# Altium PCB TE0723.PcbDoc (part 2 of 3)
Units mm, origin at the board's own origin, x right, y up, seen from the top; angles counter-clockwise.
Board outline 53.34 x 68.58 mm, 8 copper layers (L 01, L 02, L 03, L 04, L 05, L 06, L 07, L 08), stack 1.565 mm thick; 205 components, 250 nets, 1014 pads, 526 vias.
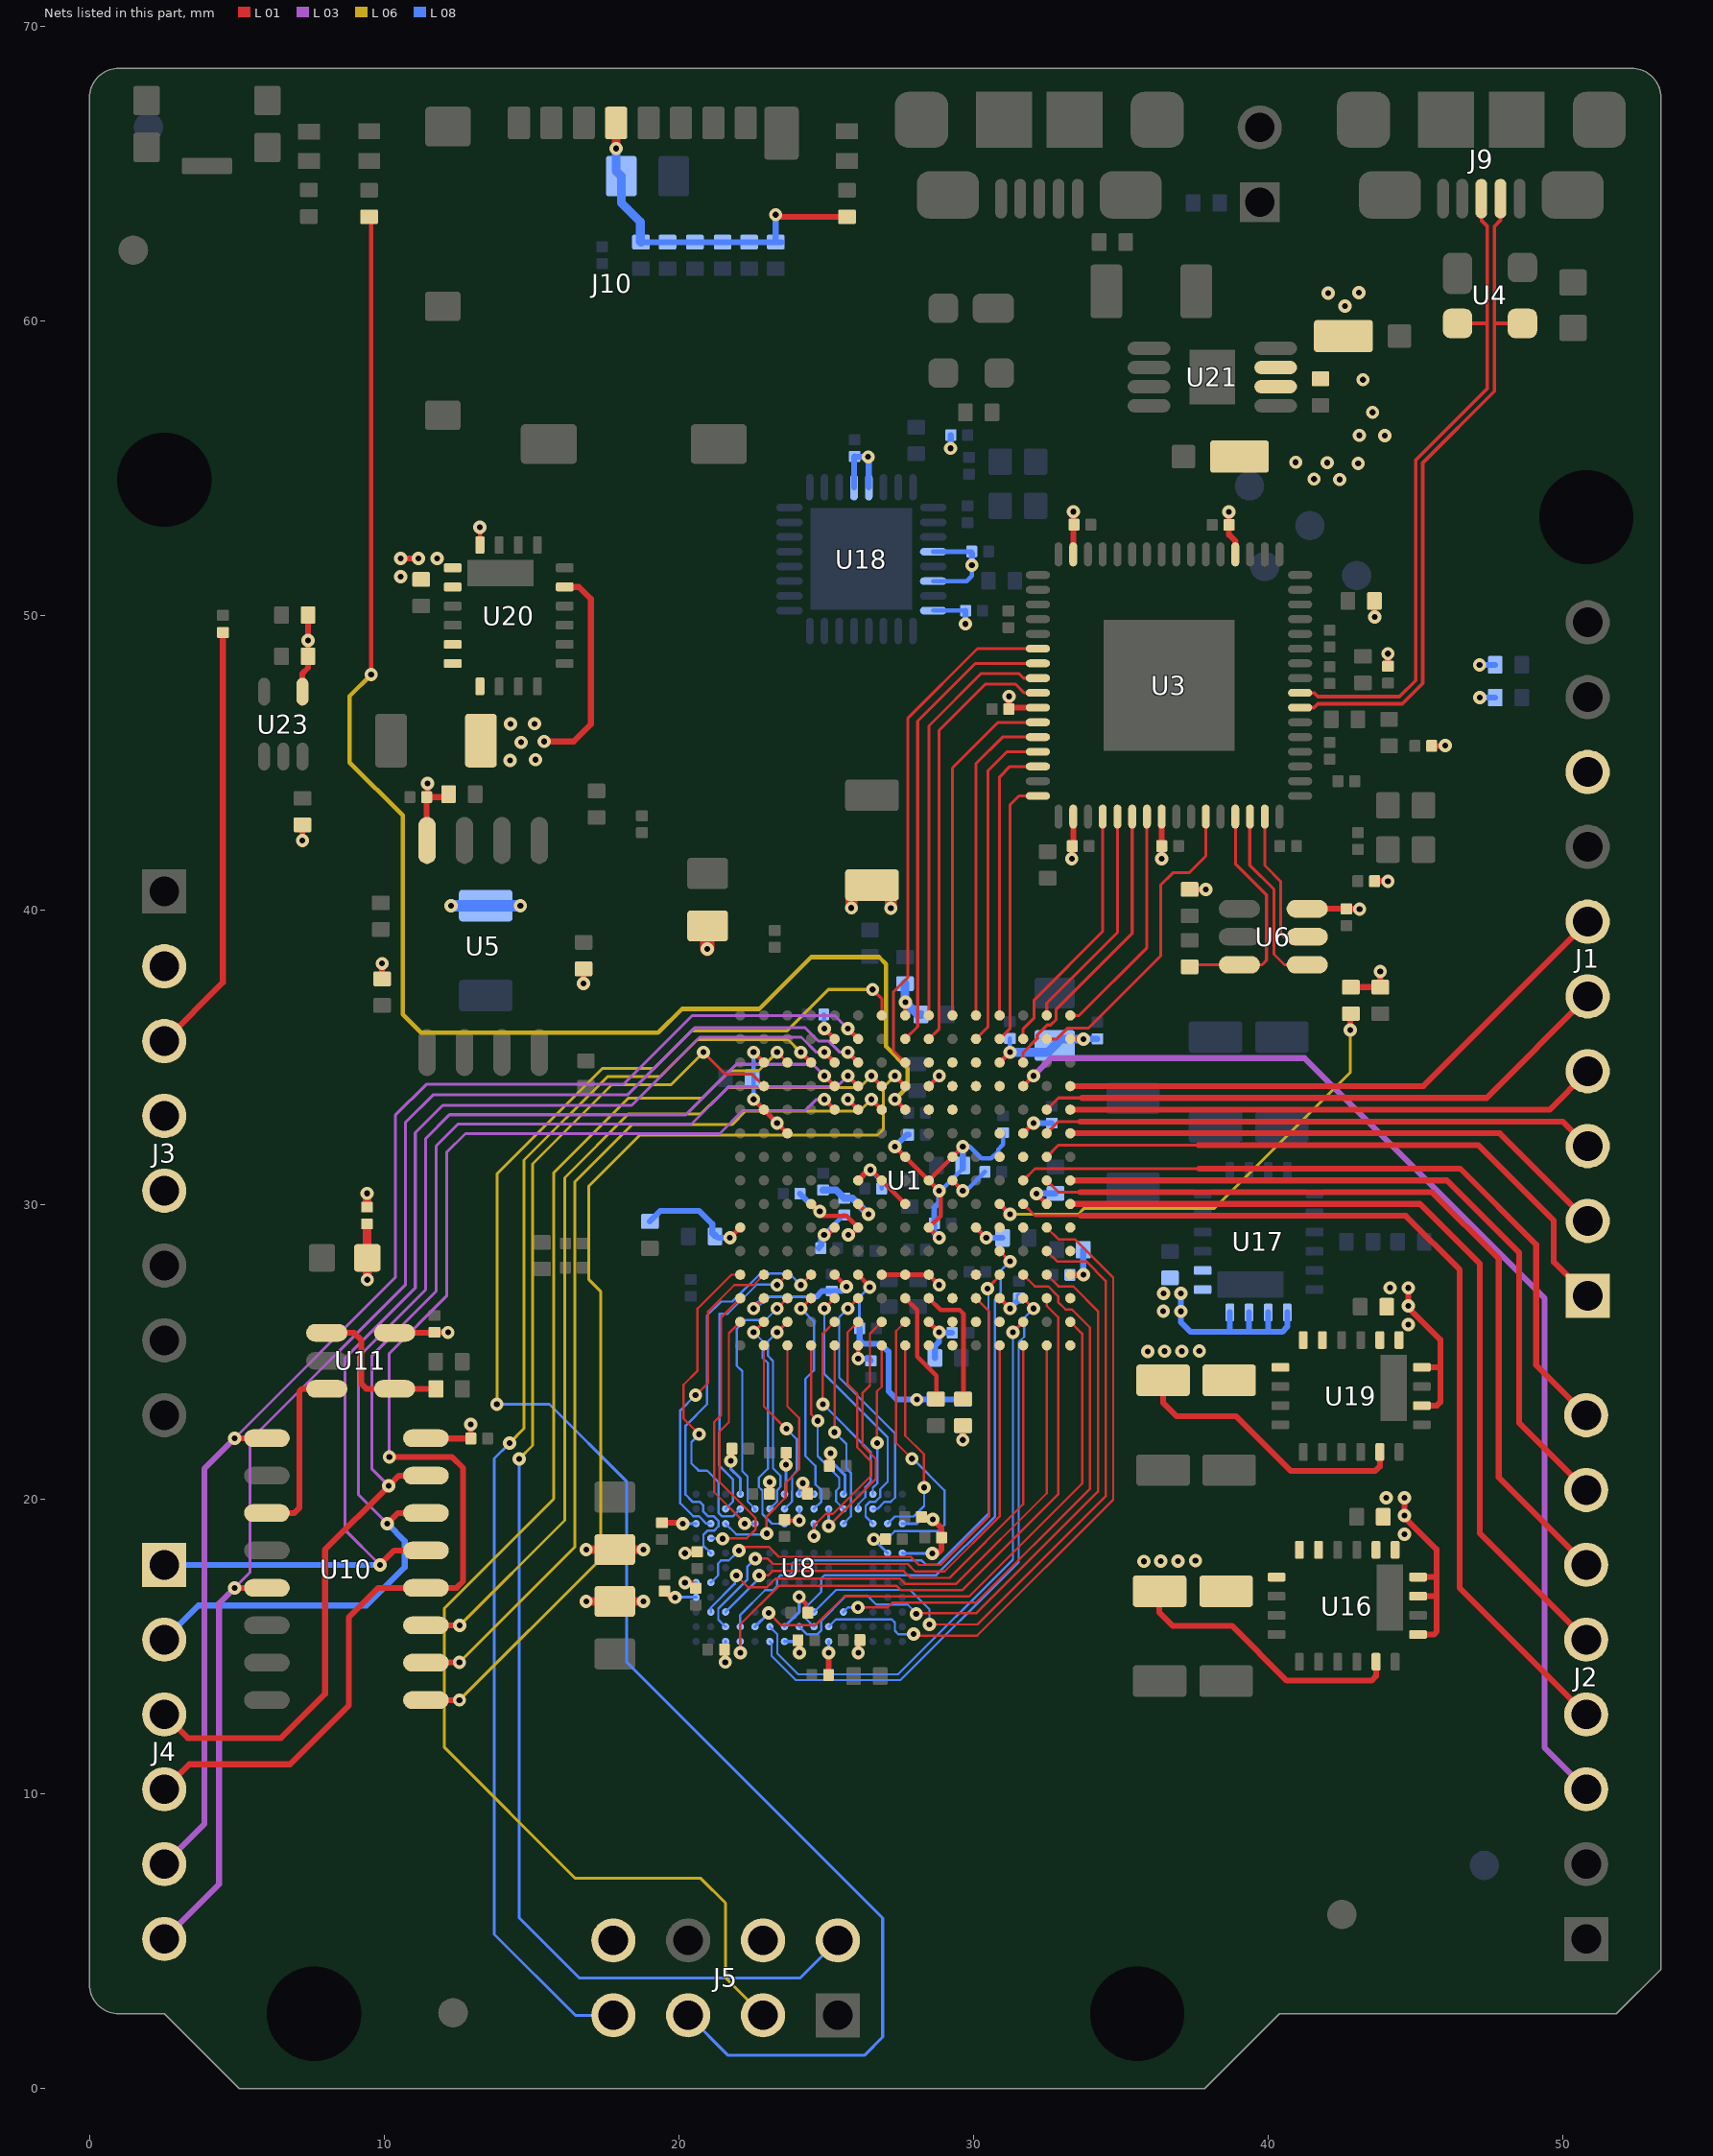
[diagram p8: the nets of this part, all layers, seen from the top]

## Via types
v1: diameter 0.45, hole 0.2, L 01 to L 08, 526 vias

## Nets (pads, with @x,y where several pads share a name; then routed paths per layer and width w, separated by ;. In a path a pad name is that pad's centre, name@x,y a point inside that pad or via, vN(x,y) a via of type N, cw(c..) or ccw(c..) an arc to the next point about the centre after c; other vN are vias at no path point) (continued)
1.2V: C35.1 C36.1 C37.1 C38.1 C39.1 C40.1 C42.1 C51.1 C55.1 C56.1 C57.1 C58.1 C59.1 C67.1 C68.1 C70.1 C71.2 C72.1 C73.2 C74.1 C83.1 C96.1 R23.1 R24.1 U1.B3 U1.E4 U1.F1 U1.J2 U1.M3 U1.R4 U8.A7 U8.A9 U8.D1 U8.E11 U8.G11 U8.H1 U8.H11 U8.J1 U8.K11 U8.M11 U8.N1 U8.R4 U8.R7 U8.R9 U16.5 U16.6 U16.7 U16.15 | length 39.2
  L 01 w0.15: v1(22.54,26.48) U1.B3@22.89,26.83 ; U1.E4@25.29,27.63 v1@25.64,27.28 ; v1(26.09,24.78) U1.F1@26.09,25.23 ; U1.J2@28.49,26.03 v1(28.84,25.68) ; U1.M3@30.89,26.83 v1(31.24,26.48) ; U1.R4@33.29,27.63 v1(33.74,27.63)
  L 01 w0.2: C55.1@19.429,19.21 20.109,19.21 v1(20.141,19.178) ; C40.1@19.519,16.889 19.733,16.675 v1(19.877,16.675) ; v1(20.211,18.177) 20.263,18.229 C51.1@20.629,18.229 ; C57.1@21.553,14.907 21.578,14.882 v1(21.578,14.477) ; v1(21.762,21.306) 21.804,21.348 C56.1@21.804,21.724 ; C39.1@23.081,20.186 23.081,20.589 v1(23.089,20.597) ; C59.1@24.046,15.223 24.093,15.176 v1(24.093,14.801) ; v1(24.211,20.553) 24.366,20.398 C36.1@24.366,20.197 ; v1@24.235,20.553 v1@24.253,20.571 ; C35.1@25.112,21.136 25.112,21.531 v1(25.156,21.575) ; v1(26.093,14.801) 26.093,15.169 C58.1@26.15,15.226 ; C38.1@28.236,19.408 28.542,19.408 v1(28.623,19.327) 28.921,19.029 C37.1@28.921,18.702 28.921,18.303 28.785,18.167 v1(28.609,18.167) ; v1@29.645,22.014 R23.1@29.645,22.511 ; C42.1@36.31,16.925 36.31,16.16 36.76,15.71 38.78,15.71 40.64,13.85 43.51,13.85 43.665,14.005 U16.15@43.665,14.49
  L 01 w0.3: v1(16.86,16.54) 17.83,16.54 v1(18.8,16.54)
  L 08 w0.1: v1@19.811,16.68 U8.R4@20.59,16.68 ; v1@20.103,19.18 U8.R9@20.59,19.18 ; v1@20.272,18.18 U8.R7@20.59,18.18 ; v1@21.59,14.382 U8.N1@21.59,15.18 ; v1@21.762,21.283 21.762,21.04 22.09,20.712 U8.M11@22.09,20.18 ; 22.94,26.88 24.45,26.88 ; U8.K11@23.09,20.18 v1@23.09,20.592 ; U8.J1@23.59,15.18 U8.H1@24.09,15.18 ; U8.H11@24.09,20.18 24.09,20.331 v1@24.261,20.502 ; v1@24.235,20.553 v1@24.261,20.527 ; v1@24.261,20.601 v1@24.261,20.527 ; U8.G11@24.59,20.18 U8.G11@24.59,20.198 ; U8.G11@24.59,20.211 U8.G11@24.59,20.198 ; v1@25.159,21.523 25.159,21.307 25.648,20.818 25.648,20.238 U8.E11@25.59,20.18 ; v1@26.09,14.862 U8.D1@26.09,15.18 ; U8.A9@27.586,19.178 28.082,19.178 28.235,19.331 v1@28.555,19.331 ; U8.A7@27.59,18.18 27.59,18.174 v1@28.589,18.174 ; v1@24.261,20.502 v1@24.261,20.527 ; v1@24.261,20.502 v1@24.274,20.515 ; v1@24.261,20.527 v1@24.274,20.515 ; v1@24.274,20.515 U8.G11@24.59,20.198
  L 08 w0.15: v1@24.09,14.862 U8.H1@24.09,15.18 ; v1(31.24,26.48) v1@31.24,26.611 ; v1@33.73,27.64 v1(33.74,27.63) v1@33.732,27.622
  L 08 w0.2: v1(22.54,26.48) 22.94,26.88 ; 24.45,26.88 24.67,26.88 24.867,27.077 C68.1@25.196,27.077 25.544,27.077 v1(25.693,27.226) ; v1(26.09,24.78) 26.458,24.78 C67.1@26.52,24.718 ; C70.1@28.696,24.803 28.696,25.207 28.84,25.351 v1(28.84,25.68) 28.859,25.661 C71.2@29.278,25.661 ; v1(29.639,22.02) 29.639,22.487 R24.1@29.652,22.5 ; v1(31.24,26.48) 31.545,26.785 C73.2@31.545,26.916 ; C74.1@33.277,27.622 v1@33.732,27.622 ; v1@33.73,27.64 C72.1@33.73,28.476
  other v1: 35.79,17.9 36.36,17.91 36.94,17.91 37.54,17.92
1.8V: C2.2 C3.1 C15.1 C16.1 C18.1 C26.1 C46.1 C60.1 C61.1 C64.1 C65.1 C69.1 C77.1 C97.1 L4.1 L6.2 U1.E6 U1.H9 U1.J6 U1.J8 U1.K9 U1.L6 U8.B7 U8.F1 U8.J11 U8.R5 U18.28 U18.30 U19.5 U19.6 U19.7 U19.15 U20.20 | length 36
  L 01 w0.15: U20.20@13.255,52.4 v1(13.255,53.005) ; v1@24.94,28.88 U1.E6@25.29,29.23 ; v1(27.34,31.98) U1.H9@27.69,31.63 U1.J8@28.49,30.83 ; v1(28.84,28.88) U1.J6@28.49,29.23 28.89,29.63 v1@28.89,30.48 ; v1(28.84,30.48) U1.J8@28.49,30.83 ; v1(29.64,31.98) U1.K9@29.29,31.63 U1.J8@28.49,30.83 ; U1.L6@30.09,29.23 v1(30.44,28.88)
  L 01 w0.2: v1(20.211,17.177) 20.39,17.177 C64.1@20.581,16.986 ; v1(23.639,21.175) 23.645,21.181 C61.1@23.645,21.585 ; C65.1@25.087,14.044 25.087,14.795 v1(25.093,14.801) ; v1(26.617,18.648) 26.622,18.653 C60.1@27.014,18.653 ; C46.1@36.44,24.045 36.44,23.28 36.89,22.83 38.91,22.83 40.77,20.97 43.64,20.97 43.795,21.125 U19.15@43.795,21.61
  L 01 w0.3: v1(16.86,18.3) C97.1@17.83,18.3 v1(18.8,18.3)
  L 01 w0.5: v1(20.97,38.69) 20.97,39.46 C16.1@20.98,39.47
  L 08 w0.075: v1(27.34,31.98) v1@27.405,31.98
  L 08 w0.1: v1@20.272,17.18 U8.R5@20.59,17.18 ; U8.J11@23.59,20.18 23.644,20.234 v1@23.644,21.209 ; v1@25.09,14.862 U8.F1@25.09,15.18 ; v1@26.622,18.648 U8.B7@27.09,18.18 ; C26.1@29.872,52.17 29.876,52.174 29.88,52.17 C26.1@29.95,52.1
  L 08 w0.15: v1(24.934,28.985) 25.604,29.655 L6.2@25.62,29.655 ; U18.30@28.64,51.17 29.77,51.17 29.95,51.35 v1(29.95,51.71) ; U18.28@28.64,52.17 29.872,52.17 29.88,52.17 29.935,52.17 C26.1@29.945,52.18 ; v1(28.84,30.48) 28.89,30.48 C15.1@29.64,31.23 ; v1(29.64,31.98) 29.874,31.98 30.274,31.58 30.606,31.58 30.84,31.814 30.84,31.88 31.01,32.05 C69.1@31.01,32.45
  L 08 w0.2: L4.1@24.756,28.535 24.756,28.549 24.838,28.631 24.838,28.889 v1(24.934,28.985) ; v1(27.34,31.98) 27.74,32.38 C3.1@27.805,32.38 ; v1(28.84,28.88) 28.675,29.045 C2.2@28.675,29.37 28.675,29.915 28.84,30.08 v1(28.84,30.48) ; C15.1@29.64,31.23 C15.1@29.64,31.34 v1(29.64,31.98) ; v1(29.95,51.71) C26.1@29.95,52.1 ; v1(30.44,28.88) C18.1@30.99,28.88
  other v1: 35.92,25.02 36.49,25.03 37.07,25.03 37.67,25.04
3.3V: C8.1 C9.1 C10.1 C11.2 C31.1 C48.1 C53.2 C75.1 C79.1 C80.2 C81.1 C82.2 C84.1 C85.1 C86.2 C87.1 C88.2 C89.1 C90.2 C91.2 C92.2 C93.1 C98.2 C101.1 C116.1 J3.2 J3.4 J5.4 J5.8 J10.4 L1.2 L2.2 L3.2 L8.1 L10.1 R2.1 R4.2 R5.1 R10.1 R11.1 R13.1 R14.1 R15.1 R28.2 R29.2 R31.2 R32.2 R35.2 R36.2 R42.2 R43.1 R51.2 R55.2 R56.2 R57.2 U1.A6 U1.B11 U1.B13 U1.C10 U1.D7 U1.E14 U1.F6 U1.F11 U1.G4 U1.H4 U1.H15 U1.J4 U1.J12 U1.K8 U1.M13 U1.N10 U1.P7 U1.R14 U3.20 U3.31 U3.42 U3.50 U3.56 U5.8 U6.6 U18.20 U18.21 U18.32 U20.5 U20.6 U20.7 U20.15 U23.4 | length 76.2
  L 01 w0.15: v1(21.74,28.88) U1.A6@22.09,29.23 ; v1(22.54,33.58) v1(23.34,32.78) U1.C10@23.69,32.43 ; v1(22.54,35.18) U1.B13@22.89,34.83 ; v1(24.79,29.78) 24.79,29.73 24.79,29.7 24.87,29.62 25.7,29.62 U1.F6@26.09,29.23 v1@25.74,28.88 ; v1(24.94,35.98) U1.E14@25.29,35.63 ; v1(25.74,33.58) U1.F11@26.09,33.23 ; U1.G4@26.89,27.63 U1.H4@27.69,27.63 U1.J4@28.49,27.63 v1(28.84,27.28) ; U1.H15@27.69,36.43 v1(27.69,36.88) ; U1.J12@28.49,34.03 v1(28.84,34.38) ; U1.K8@29.29,30.83 v1(29.64,30.48) ; U1.M13@30.89,34.83 v1(31.24,35.18) ; U1.N10@31.69,32.43 v1(32.04,32.78) ; v1(32.14,30.38) U1.P7@32.49,30.03 ; U1.R14@33.29,35.63 v1(33.74,35.63)
  L 01 w0.2: v1(7.23,42.37) R28.2@7.23,42.9 ; U23.4@7.23,47.42 7.23,48.04 7.42,48.23 C53.2@7.42,48.62 v1(7.42,49.16) R29.2@7.42,50.02 ; R31.2@9.933,37.67 v1(9.933,38.193) ; U5.8@11.459,42.372 11.445,42.386 C75.1@11.445,43.84 C75.1@11.475,43.84 ; v1(11.475,44.305) C75.1@11.475,43.84 ; R36.2@12.24,43.94 12.14,43.84 C75.1@11.475,43.84 ; v1(15.43,45.73) 16.44,45.73 17.02,46.31 17.02,50.57 16.615,50.975 U20.15@16.13,50.975 ; v1(16.77,37.51) R32.2@16.77,38.01 ; v1(23.29,63.61) 23.36,63.54 R51.2@25.71,63.54 ; U1.D7@24.49,30.03 24.765,29.755 24.79,29.73 v1@24.84,29.68 ; C10.1@31.205,46.83 C10.1@31.205,46.88 ; v1@31.205,47.255 C10.1@31.205,46.88 ; U3.42@32.19,46.88 C10.1@31.205,46.88 ; v1@33.355,41.785 C9.1@33.355,42.18 ; C9.1@33.39,42.2 U3.50@33.39,43.18 ; U3.31@33.39,52.08 v1(33.39,53.53) ; v1@36.39,41.74 v1(36.39,41.75) U3.56@36.39,43.18 ; R4.2@37.34,40.71 v1(37.89,40.71) ; v1@38.675,53.415 C8.1@38.675,53.08 38.675,52.745 38.89,52.53 U3.20@38.89,52.08 ; U6.6@41.33,40.05 42.655,40.05 C31.1@42.66,40.045 v1@43.015,40.045 ; R55.2@42.81,37.39 R57.2@43.81,37.39 v1(43.81,37.92) ; v1@43.61,49.96 R2.1@43.61,50.5 ; L3.2@43.615,40.99 v1@44.09,40.99 ; L2.2@44.07,48.285 v1@44.07,48.69 ; L1.2@45.555,45.58 v1@46.02,45.58
  L 01 w0.3: L8.1@9.42,29.925 v1(9.42,30.39) ; v1(17.877,65.859) J10.4@17.877,66.725 J10.4@17.877,66.855
  L 01 w0.4: v1(25.86,40.08) 25.86,40.67 C84.1@26.12,40.93 ; v1(27.2,40.07) C84.1@27.2,40.89
  L 08 w0.15: v1(22.54,35.18) v1(22.54,33.58) v1(23.34,32.78) ; C82.2@24.925,36.46 24.94,36.445 v1(24.94,35.98) ; U18.32@28.64,50.17 C98.2@29.735,50.17 ; v1(29.64,30.48) 29.755,30.48 C92.2@30.395,31.12 ; v1(31.24,35.18) C88.2@31.24,35.645
  L 08 w0.2: R13.1@18.72,62.68 R14.1@19.62,62.68 R5.1@21.49,62.68 R10.1@22.39,62.68 R11.1@23.29,62.68 ; R56.2@19.02,29.44 19.38,29.8 20.69,29.8 21.14,29.35 21.14,29.02 C79.1@21.23,28.93 ; C79.1@21.23,28.99 21.34,28.88 v1(21.74,28.88) ; v1(23.29,63.61) R11.1@23.29,62.68 ; R11.1@23.488,62.68 R11.1@23.29,62.68 ; C80.2@24.115,30.38 24.715,29.78 v1(24.79,29.78) ; U18.20@25.95,54.36 25.95,55.385 C116.1@25.97,55.405 25.985,55.39 v1(26.43,55.39) 26.45,55.37 U18.21@26.45,54.36 ; v1@29.235,55.735 L10.1@29.235,56.13 ; v1@29.735,49.745 C98.2@29.735,50.17 ; v1(32.04,32.78) 32.045,32.775 C90.2@32.66,32.775 ; v1(32.14,30.38) 32.15,30.39 C89.1@32.79,30.39 ; v1(33.74,35.63) 33.745,35.635 C91.2@34.21,35.635 ; v1@47.15,48.33 R42.2@47.71,48.33 ; v1(47.19,47.22) R35.2@47.71,47.22
  L 08 w0.3: v1(17.877,65.859) 17.877,65.093 C93.1@18.05,64.92 18.05,64.02 18.7,63.37 18.7,62.7 R13.1@18.72,62.68 ; R43.1@27.68,37.51 27.68,36.89 v1(27.69,36.88) 28.11,36.46 C87.1@28.22,36.46 ; v1(31.24,35.18) 32.53,35.18 C86.2@32.76,35.41 32.98,35.63 v1(33.74,35.63)
  L 08 w0.4: v1(12.275,40.155) C85.1@13.45,40.155 v1(14.625,40.155)
  other v1: 25.761,28.985 43.11,40.04 44.07,40.98 33.34,41.75 14.28,45.09 15.14,45.11 46.01,45.59 14.65,45.7 14.29,46.32 15.11,46.33 31.21,47.26 47.18,48.33 44.07,48.71 29.73,49.72 43.62,49.96 38.67,53.52 29.23,55.68
3.3VA: C32.2 C33.1 C34.2 L8.2 U10.16 U11.5 | length 5.7
  L 01 w0.2: U11.5@10.357,25.656 11.691,25.656 C33.1@11.71,25.675 v1@12.155,25.675 ; U10.16@11.421,22.079 11.43,22.07 C32.2@12.945,22.07 v1(12.945,22.545)
  L 01 w0.3: L8.2@9.42,29.355 9.42,28.21 C34.2@9.43,28.2 v1@9.43,27.45
  other v1: 12.17,25.67 9.43,27.46
5V: C41.1 C43.1 C45.1 C47.1 C49.2 D4.1 D5.1 J3.5 U16.1 U16.2 U16.17 U16.19 U16.20 U17.1 U17.2 U17.17 U17.18 U17.19 U17.20 U19.1 U19.2 U19.18 U19.20 U20.1 U20.2 U21.2 U21.3 | length 20.5
  L 01 w0.2: v1(10.56,51.94) v1(11.17,51.94) v1@11.22,51.94 ; v1(44.63,20.06) v1(44.63,19.45) 44.63,19.4 45.72,18.31 45.72,17.37 ; v1(44.76,27.18) v1(44.76,26.57) 44.76,26.52 45.85,25.43 45.85,24.49 ; U16.17@45.09,15.415 45.625,15.415 45.72,15.51 45.72,16.73 ; U16.19@45.09,16.715 45.705,16.715 45.72,16.73 ; U16.20@45.09,17.365 45.715,17.365 45.72,17.37 ; U19.18@45.22,23.185 45.735,23.185 45.85,23.3 45.85,24.49 ; U19.20@45.22,24.485 45.845,24.485 45.85,24.49 ; 45.72,16.73 45.72,17.37
  L 08 w0.2: v1(37.045,26.995) 37.045,26.015 37.37,25.69 38.68,25.69 ; U17.20@38.705,26.35 38.705,25.715 38.68,25.69 ; U17.19@39.355,26.35 39.355,25.695 39.35,25.69 ; U17.18@40.005,26.35 40.005,25.695 40,25.69 ; U17.17@40.655,26.35 40.655,25.865 40.48,25.69 40,25.69 ; 38.68,25.69 39.35,25.69 ; 39.35,25.69 40,25.69
  other v1: 44.63,18.82 44.01,20.06 44.76,25.94 36.445,26.395 37.04,26.385 36.455,26.995 44.14,27.18 10.56,51.32 11.8,51.94 42.43,54.62 41.56,54.64 43.06,55.17 40.94,55.21 42.01,55.19 43.1,56.12 43.96,56.11 43.55,56.9 43.22,58.01 42.61,60.51 42.04,60.95 43.08,60.96
AGND: L7.1 U1.F8 U1.G8 U1.H7 | length 3
  L 01 w0.15: v1@26.44,31.18 26.54,31.18 U1.G8@26.89,30.83 U1.H7@27.69,30.03
  L 01 w0.2: U1.F8@26.09,30.83 v1@26.44,31.18
  L 08 w0.15: v1@26.505,31.18 26.885,30.8 L7.1@26.885,30.55
  L 08 w0.2: v1@26.505,31.18 v1@26.54,31.18
  other v1: 26.5,31.19
AIN: U10.3 U11.3 | length 6.1
  L 01 w0.2: U10.3@6.021,19.539 6.952,19.539 7.125,19.712 7.125,23.658 7.223,23.756 U11.3@8.057,23.756
AIN0: J4.1 U1.E13 U10.13 | length 41.2
  L 01 w0.15: v1(24.94,35.18) U1.E13@25.29,34.83
  L 01 w0.2: v1(9.86,17.78) 10.349,18.269 U10.13@11.421,18.269
  L 03 w0.1: v1(9.86,17.78) 8.67,18.97 8.67,24.79 11.06,27.18 11.06,32.45 11.99,33.38 18.4,33.38 20.71,35.69 24.16,35.69 24.67,35.18 v1(24.94,35.18)
  L 08 w0.2: J4.1@2.54,17.78 v1(9.86,17.78)
AIN1: J4.2 U1.E12 U10.14 | length 42
  L 01 w0.15: v1(24.94,34.38) U1.E12@25.29,34.03
  L 01 w0.2: v1(10.11,19.18) 10.469,19.539 U10.14@11.421,19.539
  L 03 w0.1: v1(10.11,19.18) 9.13,20.16 9.13,24.84 11.41,27.12 11.41,32.25 12.22,33.06 20.24,33.06 21.95,34.77 24.55,34.77 v1(24.94,34.38)
  L 08 w0.2: J4.2@2.54,15.24 3.7,16.4 9.4,16.4 10.7,17.7 10.7,18.59 v1(10.11,19.18)
AIN2: J4.3 U1.F12 U10.15 | length 43.9
  L 01 w0.15: v1(25.74,34.38) U1.F12@26.09,34.03
  L 01 w0.2: J4.3@2.54,12.7 3.34,11.9 6.5,11.9 8,13.4 8,18.3 v1(10.16,20.46) 10.509,20.809 U10.15@11.421,20.809
  L 03 w0.1: v1(10.16,20.46) 9.59,21.03 9.59,24.89 11.77,27.07 11.77,32 12.51,32.74 20.43,32.74 21.695,34.005 25.365,34.005 v1(25.74,34.38)
AIN3: J4.4 U1.E11 U10.12 | length 46.5
  L 01 w0.15: v1(24.94,33.58) U1.E11@25.29,33.23
  L 01 w0.2: J4.4@2.54,10.16 3.39,11.01 6.81,11.01 8.8,13 8.8,16 9.799,16.999 U10.12@11.421,16.999 12.459,16.999 12.68,17.22 12.68,21.07 12.309,21.441 v1(10.181,21.441)
  L 03 w0.1: v1@10.17,21.491 10.17,24.95 12.12,26.9 12.12,31.78 12.76,32.42 21.39,32.42 22.175,33.205 24.295,33.205 24.67,33.58 v1(24.94,33.58)
AIN4: J4.5 U1.F14 U10.1 | length 47.2
  L 01 w0.15: v1(25.74,35.98) U1.F14@26.09,35.63
  L 01 w0.2: v1(4.93,22.079) U10.1@6.021,22.079
  L 03 w0.1: v1(4.93,22.079) 10.38,27.529 10.38,33.04 11.43,34.09 18.12,34.09 20.45,36.42 25.3,36.42 v1(25.74,35.98)
  L 03 w0.2: J4.5@2.54,7.62 3.9,8.98 3.9,21.049 v1(4.93,22.079)
AIN5: J4.6 U1.F13 U10.5 | length 49.4
  L 01 w0.15: v1(25.74,35.18) U1.F13@26.09,34.83
  L 01 w0.2: v1@4.93,16.999 U10.5@6.021,16.999
  L 03 w0.1: v1(4.93,17) 5.45,17.52 5.45,22.01 10.72,27.28 10.72,32.79 11.66,33.73 18.26,33.73 20.54,36.01 24.29,36.01 24.745,35.555 25.095,35.555 25.47,35.18 v1(25.74,35.18)
  L 03 w0.2: J4.6@2.54,5.08 4.4,6.94 4.4,16.47 v1(4.93,17)
AIN_BUF: R19.1 U11.1 U11.4 | length 5.4
  L 01 w0.2: U11.1@8.057,25.656 8.974,25.656 9.23,25.4 9.23,23.92 9.394,23.756 U11.4@10.357,23.756 ; U11.4@10.359,23.754 R19.1@11.759,23.754
  L 01 w0.3: U11.4@10.357,23.756 U11.4@10.359,23.754
AMUX_S0: U1.G12 U10.11 | length 30.2
  L 01 w0.1: v1@12.569,15.729 v1(12.57,15.73)
  L 01 w0.15: v1(26.54,34.38) U1.G12@26.89,34.03
  L 01 w0.2: U10.11@11.421,15.729 v1@12.569,15.729
  L 06 w0.1: v1(12.57,15.73) 16.13,19.29 16.13,30.92 18.3,33.09 20.76,33.09 21.65,33.98 26.14,33.98 v1(26.54,34.38)
AMUX_S1: U1.G11 U10.10 | length 30.8
  L 01 w0.15: v1(26.54,33.58) U1.G11@26.89,33.23
  L 01 w0.2: U10.10@11.421,14.459 11.432,14.47 v1(12.56,14.47)
  L 06 w0.1: v1(12.56,14.47) 16.47,18.38 16.47,30.77 18.43,32.73 21.82,32.73 22.27,33.18 26.14,33.18 v1(26.54,33.58)
AMUX_S2: U1.H12 U10.9 | length 34
  L 01 w0.15: v1(27.34,34.38) U1.H12@27.69,34.03
  L 01 w0.2: U10.9@11.421,13.189 11.422,13.19 v1(12.56,13.19)
  L 06 w0.1: v1(12.56,13.19) 17.36,17.99 17.36,27.05 16.95,27.46 16.95,30.64 18.68,32.37 26.75,32.37 26.94,32.56 26.94,33.98 v1(27.34,34.38)
AREF: J1.8
AVCC: C27.2 L6.1 U1.F7 | length 2.4
  L 01 w0.15: U1.F7@26.09,30.03 v1(26.44,29.68)
  L 08 w0.2: v1(26.44,29.68) v1@26.44,29.73
  L 08 w0.25: C27.2@24.9,30.505 25.34,30.505 L6.1@25.62,30.225 25.895,30.225 v1(26.44,29.68)
B34_L5_P: U1.J13
B34_L6_N: U1.J11
B34_L10_N: U1.L13
B34_L10_P: U1.K13
B34_L11_N: U1.K12
B34_L11_P: U1.K11
B34_L12_N: U1.M12
B34_L12_P: U1.L12
B34_L19_N: U1.N9
B34_L19_P: U1.M9
B34_L21_P: U1.M10
BCBUS0: U1.M14 U3.48 | length 9.2
  L 01 w0.1: U1.M14@30.89,35.63 31.24,35.98 31.24,43.57 31.55,43.88 U3.48@32.19,43.88
BCBUS1: U1.N14 U3.52 | length 8.7
  L 01 w0.1: U1.N14@31.69,35.63 31.69,35.97 32.065,36.345 32.065,36.956 34.39,39.281 U3.52@34.39,43.18
BCBUS2: U1.P15 U3.53 | length 7.7
  L 01 w0.1: U1.P15@32.49,36.43 32.49,36.845 34.89,39.245 U3.53@34.89,43.18
BCBUS3: U1.N13 U3.54 | length 10
  L 01 w0.1: U1.N13@31.69,34.83 31.69,35.17 32.165,35.645 32.165,35.765 32.505,36.105 32.625,36.105 32.815,36.295 32.815,36.64 35.39,39.215 U3.54@35.39,43.18
BCBUS4: U1.R15 U3.55 | length 8
  L 01 w0.1: U1.R15@33.29,36.43 33.591,36.43 35.89,38.729 U3.55@35.89,43.18
BCBUS7: U1.P14 U3.59 | length 10.7
  L 01 w0.1: U1.P14@32.49,35.63 32.83,35.63 33.205,36.005 33.915,36.005 36.36,38.45 36.36,40.86 36.77,41.27 37.32,41.27 37.89,41.84 U3.59@37.89,43.18
BDBUS0: U1.H13 U3.38 | length 17.4
  L 01 w0.1: U1.H13@27.69,34.83 27.29,35.23 27.29,37.23 27.77,37.71 27.77,46.51 30.14,48.88 U3.38@32.19,48.88
BDBUS1: U1.H14 U3.39 | length 15.9
  L 01 w0.1: U1.H14@27.69,35.63 28.11,36.05 28.11,46.42 30.07,48.38 U3.39@32.19,48.38
BDBUS2: U1.J15 U3.40 | length 14.3
  L 01 w0.1: U1.J15@28.49,36.43 28.49,46.26 30.27,48.04 31.54,48.04 31.7,47.88 U3.40@32.19,47.88
BDBUS3: U1.J14 U3.41 | length 14.7
  L 01 w0.1: U1.J14@28.49,35.63 28.84,35.98 28.84,46.11 30.4,47.67 31.44,47.67 31.73,47.38 U3.41@32.19,47.38
BDBUS4: U1.K15 U3.43 | length 11.9
  L 01 w0.1: U1.K15@29.29,36.43 29.29,44.83 30.84,46.38 U3.43@32.19,46.38
BDBUS5: U1.L15 U3.44 | length 11
  L 01 w0.1: U1.L15@30.09,36.43 30.09,44.98 30.99,45.88 U3.44@32.19,45.88
BDBUS6: U1.L14 U3.45 | length 11.2
  L 01 w0.1: U1.L14@30.09,35.63 30.49,36.03 30.49,44.73 31.14,45.38 U3.45@32.19,45.38
BDBUS7: U1.M15 U3.46 | length 9.5
  L 01 w0.1: U1.M15@30.89,36.43 30.89,44.53 31.24,44.88 U3.46@32.19,44.88
BDDR_NC1: U1.R6
BDDR_NC2: U1.R5
BDDR_NC3: U1.R3
BDDR_NC4: U1.M6
BDDR_NC5: U1.R1
BDDR_NC6: U1.N6
BDDR_NC7: U1.J1
BDDR_NC8: U1.L2
BDDR_NC9: U1.M2
BDDR_NC10: U1.K2
BDDR_NC11: U1.K1
BDDR_NC12: U1.K3
BDDR_NC13: U1.L4
BDDR_VREF: C66.1 C94.1 C95.1 R24.2 R25.1 U1.F4 U8.H10 U8.J2 | length 10.4
  L 01 w0.1: C94.1@23.59,19.315 C94.1@23.622,19.283 ; v1(26.483,27.205) v1@26.483,27.237
  L 01 w0.15: C94.1@23.622,19.283 v1(24.09,19.283) ; v1(24.088,16.695) 24.32,16.463 24.32,16.3 24.385,16.235 C95.1@24.385,16.16 ; U1.F4@26.09,27.63 v1@26.483,27.237
  L 08 w0.1: U8.J2@23.59,15.68 24.088,16.178 v1(24.088,16.695) v1@24.088,16.736 ; v1(24.09,19.283) U8.H10@24.09,19.68 ; C66.1@26.141,25.808 26.133,25.816 26.133,26.863 v1@26.483,27.213
  L 08 w0.2: C66.1@26.141,25.808 26.141,25.409 26.27,25.28 26.86,25.28 27.12,25.02 27.12,23.68 27.41,23.39 v1(28.08,23.39) ; v1@28.17,23.4 R24.2@29.652,23.4
CA0: U1.P1 U8.P3 | length 18.7
  L 01 w0.08: v1(21.956,17.42) 22.356,17.02 22.993,17.02 23.285,17.312 27.513,17.312 27.694,17.131 29.408,17.131 32.49,20.213 U1.P1@32.49,25.23
  L 08 w0.08: U8.P3@21.09,16.18 21.09,16.328 21.898,17.136 v1@21.898,17.359
CA1: U1.N1 U8.N3 | length 17.3
  L 01 w0.08: v1(22.726,17.423) 23.039,17.423 23.183,17.567 27.638,17.567 27.868,17.337 29.191,17.337 31.69,19.836 U1.N1@31.69,25.23
  L 08 w0.08: U8.N3@21.59,16.18 22.726,17.316 v1(22.726,17.423)
CA2: U1.M1 U8.N2 | length 18
  L 01 w0.08: v1@22.588,17.991 23.019,17.991 23.2,17.81 27.775,17.81 28.026,17.559 29.023,17.559 30.89,19.426 U1.M1@30.89,25.23
  L 08 w0.08: U8.N2@21.59,15.68 21.344,15.926 21.344,16.292 22.336,17.284 22.336,17.723 v1(22.598,17.985)
CA3: U1.M4 U8.M2 | length 18.8
  L 01 w0.1: v1@30.554,27.247 U1.M4@30.904,27.597
  L 08 w0.08: U8.M2@22.09,15.68 22.09,16.078 22.933,16.921 23.195,16.921 23.337,17.063 23.337,17.305 23.462,17.43 23.754,17.43 23.845,17.521 23.845,17.815 23.958,17.928 28.248,17.928 28.387,17.789 28.781,17.789 30.512,19.52 v1@30.512,27.156
  other v1: 30.483,27.156
CA4: U1.P3 U8.M1 | length 20.8
  L 01 w0.08: v1@22.085,14.801 22.085,15.756 23.392,17.063 27.402,17.063 27.54,16.925 29.628,16.925 32.875,20.172 32.875,26.189 32.49,26.574 U1.P3@32.49,26.83
  L 08 w0.1: v1@22.09,14.862 U8.M1@22.09,15.18
  other v1: 22.093,14.801
CA5: U1.P4 U8.H2 | length 21.2
  L 01 w0.08: v1@28.111,16.144 30.108,16.144 34.228,20.264 34.228,26.392 33.385,27.235 32.885,27.235 U1.P4@32.49,27.63
  L 08 w0.08: U8.H2@24.09,15.68 24.34,15.43 24.71,15.43 24.839,15.559 24.839,15.893 25.65,16.704 26.434,16.704 26.705,16.433 27.769,16.433 v1@28.048,16.154
  other v1: 28.061,16.113
CA6: U1.P5 U8.G3 | length 22.5
  L 01 w0.08: v1@28.528,15.758 30.136,15.758 34.489,20.111 34.489,27.422 33.831,28.08 32.84,28.08 U1.P5@32.49,28.43
  L 08 w0.075: U8.G3@24.59,16.18 25.343,16.933 27.851,16.933 28.511,16.273 v1@28.511,15.775
  other v1: 28.506,15.757
CA7: U1.M5 U8.G2 | length 18.1
  L 01 w0.1: U1.M5@30.89,28.43 v1(31.24,28.08)
  L 08 w0.08: U8.G2@24.59,15.68 24.298,15.972 24.298,16.329 24.844,16.875 24.844,17.323 24.952,17.431 28.743,17.431 30.739,19.427 30.739,26.779 30.923,26.963 30.923,27.763 v1(31.24,28.08)
CA8: U1.P6 U8.F2 | length 22.4
  L 01 w0.08: v1@28.048,15.378 30.131,15.378 34.746,19.993 34.746,27.527 33.443,28.83 32.89,28.83 U1.P6@32.49,29.23
  L 08 w0.08: U8.F2@25.09,15.68 25.337,15.927 27.231,15.927 27.337,15.821 27.337,15.54 27.451,15.426 v1@27.933,15.426
  other v1: 27.974,15.428
CA9: U1.N4 U8.E3 | length 18.7
  L 01 w0.08: v1@26.068,16.338 27.097,16.338 27.252,16.493 30.082,16.493 33.96,20.371 33.96,25.831 33.343,26.448 33.13,26.448 32.879,26.699 32.879,26.895 32.539,27.235 32.085,27.235 U1.N4@31.69,27.63
  L 08 w0.08: U8.E3@25.59,16.18 25.745,16.335 v1(26.086,16.335)
CK_N: U1.N2 U8.K2 | length 19.1
  L 01 w0.1: v1(31.34,25.68) U1.N2@31.69,26.03
  L 08 w0.075: U8.K2@23.09,15.68 23.345,15.425 23.345,14.77 24.054,14.061 27.441,14.061 31.34,17.96 v1(31.34,25.68)
CK_P: U1.N3 U8.K1 | length 20.2
  L 01 w0.1: U1.N3@31.69,26.83 v1(32.04,26.48)
  L 08 w0.075: U8.K1@23.09,15.18 23.15,15.12 23.15,14.689 23.973,13.866 27.522,13.866 31.535,17.879 31.535,25.334 31.723,25.522 31.723,26.163 v1(32.04,26.48)
CKE: U1.L3 U8.P5 | length 18.6
  L 01 w0.08: v1(22.045,18.27) 22.162,18.387 23.066,18.387 23.399,18.054 27.874,18.054 28.151,17.777 28.88,17.777 30.54,19.437 30.54,26.38 U1.L3@30.09,26.83
  L 08 w0.08: U8.P5@21.09,17.18 21.335,17.425 21.335,17.826 21.434,17.925 21.695,17.925 v1@21.94,18.17
CS: U1.R2 U8.L2 | length 19.1
  L 01 w0.08: v1@23.063,16.143 23.466,15.74 24.65,15.74 25.619,16.709 29.861,16.709 33.69,20.538 33.69,25.63 U1.R2@33.29,26.03
  L 08 w0.1: U8.L2@22.59,15.68 v1@23.041,16.131
  other v1: 23.053,16.146
D2: J2.3 U1.N12 | length 38.7
  L 01 w0.15: U1.N12@31.69,34.03 v1(32.04,34.38)
  L 03 w0.2: v1(32.04,34.38) 32.64,34.98 41.24,34.98 49.39,26.83 49.39,11.57 J2.3@50.8,10.16
D3: J2.4 U1.N7 | length 32.6
  L 01 w0.1: U1.N7@31.69,30.03 32.09,29.63 33.64,29.63
  L 01 w0.2: 33.64,29.63 44.67,29.63 46.505,27.795 46.505,16.995 J2.4@50.8,12.7
D4: J2.5 U1.R7 | length 29
  L 01 w0.2: U1.R7@33.29,30.03 45.16,30.03 47.19,28 47.19,18.85 J2.5@50.8,15.24
D5: J2.6 U1.P8 | length 28.1
  L 01 w0.1: U1.P8@32.49,30.83 32.89,30.43 33.63,30.43
  L 01 w0.2: 33.63,30.43 45.57,30.43 47.83,28.17 47.83,20.75 J2.6@50.8,17.78
D6: J2.7 U1.R8 | length 25.2
  L 01 w0.2: U1.R8@33.29,30.83 46.07,30.83 48.52,28.38 48.52,22.6 J2.7@50.8,20.32
D7: J2.8 U1.N8 | length 25.1
  L 01 w0.1: U1.N8@31.69,30.83 32.09,31.23 37.66,31.23
  L 01 w0.2: 37.66,31.23 46.52,31.23 49.1,28.65 49.1,24.56 J2.8@50.8,22.86
D8: J1.1 U1.P9 | length 21.5
  L 01 w0.1: U1.P9@32.49,31.63 32.89,32.03 37.65,32.03
  L 01 w0.2: 37.65,32.03 47.13,32.03 49.7,29.46 49.7,28.054 J1.1@50.85,26.904
D9: J1.2 U1.R10 | length 18.8
  L 01 w0.2: U1.R10@33.29,32.43 47.864,32.43 J1.2@50.85,29.444
D10: J1.3 U1.P10 | length 18.9
  L 01 w0.1: U1.P10@32.49,32.43 32.89,32.83 33.63,32.83
  L 01 w0.2: 33.63,32.83 50.004,32.83 J1.3@50.85,31.984
D11: J1.4 U1.R11 | length 18.1
  L 01 w0.2: U1.R11@33.29,33.23 49.556,33.23 J1.4@50.85,34.524
D12: J1.5 U1.P11 | length 19.9
  L 01 w0.1: U1.P11@32.49,33.23 32.89,33.63 33.69,33.63
  L 01 w0.2: 33.69,33.63 47.416,33.63 J1.5@50.85,37.064
D13: J1.6 U1.R12 | length 19.9
  L 01 w0.2: U1.R12@33.29,34.03 45.276,34.03 J1.6@50.85,39.604
D_N: J9.2 U3.7 U4.3 | length 23
  L 01 w0.12: U3.7@41.09,46.88 41.56,46.88 41.69,47.01 44.559,47.01 45.25,47.701 45.25,55.181 47.685,57.616 47.685,59.92 ; J9.2@47.89,64.155 47.89,63.42 47.685,63.215 47.685,59.92 ; U4.3@48.635,59.92 47.685,59.92
D_P: J9.3 U3.8 U4.2 | length 22.7
  L 01 w0.12: U3.8@41.09,47.38 41.56,47.38 41.69,47.25 44.46,47.25 45.01,47.8 45.01,55.28 47.445,57.715 47.445,59.92 ; U4.2@46.435,59.92 47.445,59.92 ; J9.3@47.24,64.155 47.24,63.42 47.445,63.215 47.445,59.92
DDR_VRN: R23.2 U1.J3 | length 4.3
  L 01 w0.15: U1.J3@28.49,26.83 28.886,26.434 29.536,26.434 29.665,26.305 29.665,23.471 R23.2@29.64,23.446
DDR_VRP: R22.2 U1.H3 | length 3.9
  L 01 w0.15: U1.H3@27.69,26.83 28.088,26.432 28.088,24.849 28.741,24.196 R22.2@28.741,23.385
DM0: U1.B1 U8.J10 | length 6.2
  L 01 w0.075: U1.B1@22.89,25.23 22.89,23.157 v1@23.643,22.404
  L 08 w0.075: U8.J10@23.59,19.68 23.847,19.937 23.847,20.28 23.848,20.281 23.848,20.797 24.002,20.95 24.002,22.055 v1@23.664,22.393
  other v1: 23.659,22.404
DM1: U1.D3 U8.G10 | length 7.9
  L 01 w0.1: v1(24.14,26.48) U1.D3@24.49,26.83
  L 08 w0.08: v1@24.158,26.471 24.594,26.035 24.594,24.386 24.295,24.087 24.295,21.481 24.641,21.135 24.641,20.512 24.84,20.313 24.84,19.93 U8.G10@24.59,19.68
DONE: R55.1 U1.M7 | length 16
  L 01 w0.1: R55.1@42.79,36.47 R55.1@42.81,36.49
  L 01 w0.15: U1.M7@30.89,30.03 v1(31.24,29.68)
  L 01 w0.2: v1(42.79,35.93) R55.1@42.79,36.47
  L 06 w0.1: v1(31.24,29.68) 33.56,29.68 33.76,29.88 38.18,29.88 42.79,34.49 v1(42.79,35.93)
DQ0: U1.D4 U8.P7 | length 14
  L 01 w0.075: v1(24.14,27.28) U1.D4@24.49,27.63
  L 08 w0.08: U8.P7@21.09,18.18 20.839,18.431 20.839,18.799 20.975,18.935 21.191,18.935 21.345,19.089 21.345,19.271 21.191,19.425 20.999,19.425 20.835,19.589 20.835,19.793 20.703,19.925 20.47,19.925 20.234,20.161 20.234,22.504 20.962,23.232 20.962,26.241 21.439,26.718 21.821,26.718 22.773,27.669 23.748,27.669 v1@24.177,27.24
DQ1: U1.A2 U8.P8 | length 9.4
  L 01 w0.075: v1@21.511,18.679 22.308,18.679 22.61,18.981 22.61,19.368 21.382,20.596 21.382,22.304 21.7,22.622 21.7,25.64 U1.A2@22.09,26.03
  L 08 w0.08: U8.P8@21.09,18.68 v1@21.427,18.68
  other v1: 21.494,18.666
DQ2: U1.C4 U8.N10 | length 9.7
  L 01 w0.075: v1(23.34,27.28) U1.C4@23.69,27.63
  L 08 w0.08: U8.N10@21.59,19.68 21.845,19.935 21.845,20.283 21.847,20.285 21.847,20.68 21.379,21.148 21.379,26.302 21.66,26.302 22.653,27.295 v1@23.283,27.295
DQ3: U1.C1 U8.N9 | length 8.4
  L 01 w0.075: v1(22.985,18.844) 22.985,19.425 23.629,20.069 23.629,20.566 24.087,21.024 24.087,22.764 23.69,23.161 U1.C1@23.69,25.23
  L 08 w0.08: U8.N9@21.59,19.18 21.953,18.817 v1@22.819,18.817
DQ4: U1.B4 U8.P9 | length 10.6
  L 01 w0.075: v1@20.586,23.546 20.99,23.95 20.99,26.38 21.89,27.28 22.54,27.28 U1.B4@22.89,27.63
  L 08 w0.08: v1(20.57,23.538) 20.054,23.024 20.054,19.87 20.495,19.429 20.692,19.429 20.941,19.18 U8.P9@21.09,19.18
DQ5: U1.A4 U8.M10 | length 10.8
  L 01 w0.075: v1@20.666,22.241 20.16,22.747 20.16,23.89 20.64,24.37 20.64,26.48 21.79,27.63 U1.A4@22.09,27.63
  L 08 w0.08: v1@20.694,22.212 20.432,21.95 20.432,21.222 20.67,20.984 20.959,20.984 21.345,20.598 21.345,19.55 21.46,19.435 21.845,19.435 U8.M10@22.09,19.68
  other v1: 20.689,22.217
DQ6: U1.C3 U8.L10 | length 8.6
  L 01 w0.1: v1(23.34,26.48) U1.C3@23.69,26.83
  L 08 w0.075: U8.L10@22.59,19.68 22.336,19.934 22.336,20.781 22.156,20.961 22.156,24.355 21.966,24.545 21.966,25.782 22.273,26.089 22.949,26.089 v1(23.34,26.48)
  L 08 w0.1: U8.L10@22.59,19.641 U8.L10@22.59,19.68
DQ7: U1.A3 U8.L9 | length 8.8
  L 01 w0.075: U1.A3@22.09,26.83 21.44,26.18 21.44,22.859 21.207,22.626 21.207,20.245 22.255,19.197 v1@22.255,19.182
  L 08 w0.1: v1(22.24,19.183) 22.587,19.183 U8.L9@22.59,19.18
DQ8: U1.E1 U8.E9 | length 6.4
  L 01 w0.075: v1(25.29,22.281) U1.E1@25.29,25.23
  L 08 w0.075: v1(25.29,22.281) 25.691,21.88 25.691,21.049 25.833,20.907 25.833,20.904 25.844,20.893 25.844,19.434 U8.E9@25.59,19.18
DQ9: U1.D1 U8.E10 | length 6.1
  L 01 w0.075: U1.D1@24.49,25.23 24.49,22.901 v1(24.72,22.671)
  L 08 w0.075: v1@24.713,22.658 24.713,21.472 25.451,20.734 25.451,20.406 25.338,20.294 25.338,19.932 U8.E10@25.59,19.68
  L 08 w0.1: U8.E10@25.59,19.677 U8.E10@25.59,19.68
DQ10: U1.E2 U8.D10 | length 7.4
  L 01 w0.075: v1@24.89,23.237 24.89,25.63 U1.E2@25.29,26.03
  L 08 w0.075: v1(24.893,23.237) 26.51,21.621 26.51,20.598 26.333,20.421 26.333,20.08 26.09,19.837 U8.D10@26.09,19.68
DQ11: U1.E3 U8.C9 | length 9.2
  L 01 w0.1: v1(24.94,26.48) U1.E3@25.29,26.83
  L 08 w0.075: v1(24.94,26.48) 24.94,24.262 27.093,22.109 27.093,20.602 26.835,20.344 26.835,20.082 26.675,19.923 26.49,19.923 26.344,19.777 26.344,19.426 U8.C9@26.59,19.18
DQ12: U1.F3 U8.C10 | length 8.7
  L 01 w0.1: v1(25.74,26.48) U1.F3@26.09,26.83
  L 08 w0.075: v1(25.74,26.48) 25.449,26.189 25.449,24.133 27.342,22.24 27.342,20.068 27.197,19.923 26.99,19.923 26.747,19.68 U8.C10@26.59,19.68
DQ13: U1.G1 U8.C11 | length 5.1
  L 01 w0.075: v1@26.722,21.943 26.722,23.662 26.89,23.83 U1.G1@26.89,25.23
  L 08 w0.075: U8.C11@26.59,20.18 26.59,20.396 26.743,20.549 26.743,21.815 v1@26.723,21.835
  other v1: 26.73,21.919
DQ14: U1.H1 U8.B9 | length 7.1
  L 01 w0.075: U1.H1@27.69,25.23 27.69,22.165 28.326,21.529 v1(28.326,20.409)
  L 08 w0.075: U8.B9@27.09,19.18 27.333,19.422 27.971,19.422 28.329,19.781 v1@28.329,20.304
DQ15: U1.H2 U8.B8 | length 9.8
  L 01 w0.075: U1.H2@27.69,26.03 27.377,25.717 27.377,21.92 v1(27.916,21.382)
  L 08 w0.075: U8.B8@27.09,18.68 27.333,18.922 28.805,18.922 29.018,19.135 29.018,20.312 v1@27.968,21.362
DQS0_N: U1.B2 U8.J9 | length 7.9
  L 01 w0.1: v1(22.54,25.68) U1.B2@22.89,26.03
  L 08 w0.075: v1(22.54,25.68) 22.848,25.372 22.848,24.808 23.026,24.63 23.026,21.047 22.72,20.741 ; 22.72,20.741 22.72,20.421 22.841,20.3 22.841,19.502 23.163,19.18 U8.J9@23.59,19.18
DQS0_P: U1.C2 U8.K10 | length 7
  L 01 w0.1: v1(23.34,25.68) U1.C2@23.69,26.03
  L 08 w0.075: U8.K10@23.09,19.68 23.343,19.933 23.343,20.32 23.454,20.431 23.454,20.805 23.201,21.059 23.201,24.702 23.028,24.875 23.028,25.368 v1(23.34,25.68)
DQS1_N: U1.F2 U8.G9 | length 9.1
  L 01 w0.075: v1(24.59,18.753) 24.59,19.11 24.99,19.51 25.235,19.51 26.51,20.785 26.51,21.311 26.055,21.766 26.055,23.59 25.727,23.918 25.727,25.668 U1.F2@26.09,26.03
  L 08 w0.1: v1(24.59,18.753) U8.G9@24.59,19.18
DQS1_P: U1.G2 U8.F10 | length 8.6
  L 01 w0.075: v1(25.087,19.094) 26.688,20.695 26.688,21.384 26.242,21.83 26.242,23.62 26.49,23.868 26.49,25.63 U1.G2@26.89,26.03
  L 08 w0.1: v1@25.09,19.094 U8.F10@25.09,19.68
EECLK: U3.62 U6.4 | length 6.3
  L 01 w0.1: U3.62@39.379,43.179 39.379,41.531 40.2,40.71 40.2,38.51 40.56,38.15 U6.4@41.33,38.15
EECS: U3.63 U6.5 | length 5.1
  L 01 w0.1: U3.63@39.89,43.18 39.89,41.52 40.43,40.98 40.43,39.22 40.55,39.1 U6.5@41.33,39.1
EEDATA: R7.1 U3.61 U6.3 | length 8.6
  L 01 w0.1: R7.1@37.34,38.08 37.41,38.15 U6.3@39.03,38.15 39.8,38.15 39.95,38.3 39.95,40.519 38.892,41.577 U3.61@38.892,43.204 ; U6.3@38.793,38.021 U6.3@39.394,38.021
ESP_GPIO0: J5.3 U1.C13 | length 46.9
  L 01 w0.1: v1(23.34,35.18) U1.C13@23.69,34.83
  L 06 w0.1: J5.3@22.86,2.49 21.59,3.76 21.59,6.3 20.75,7.14 16.49,7.14 12.05,11.58 12.05,16.31 15.76,20.02 15.76,31.09 18.29,33.62 20.8,33.62 21.73,34.55 22.71,34.55 v1(23.34,35.18)
ESP_GPIO2: J5.5 U1.G15 | length 59.5
  L 01 w0.1: v1(26.58,37.31) 26.89,37 U1.G15@26.89,36.43
  L 06 w0.1: v1(13.83,23.23) 13.83,31.05 17.41,34.63 19.17,34.63 20.45,35.91 23.68,35.91 25.08,37.31 v1(26.58,37.31)
  L 08 w0.1: v1(13.83,23.23) 15.61,23.23 18.24,20.6 18.24,14.47 26.92,5.79 26.92,1.75 26.3,1.13 21.68,1.13 J5.5@20.32,2.49
ESP_RXD: J5.7 U1.D13 | length 43.6
  L 01 w0.15: v1(24.14,35.18) U1.D13@24.49,34.83
  L 06 w0.1: v1@14.25,21.91 14.75,22.41 14.75,31.52 17.58,34.35 19.37,34.35 20.63,35.61 23.71,35.61 v1(24.14,35.18)
  L 08 w0.1: v1(14.26,21.91) 13.74,21.39 13.74,5.24 16.49,2.49 J5.7@17.78,2.49
ESP_TXD: J5.2 U1.B12 | length 47.9
  L 01 w0.1: v1(20.84,35.18) 21.59,34.43 22.49,34.43 U1.B12@22.89,34.03
  L 06 w0.1: v1(14.59,21.38) 15.04,21.83 15.04,31.39 17.73,34.08 19.74,34.08 v1(20.84,35.18)
  L 08 w0.1: v1(14.59,21.38) 14.59,5.79 16.62,3.76 24.13,3.76 J5.2@25.4,5.03
EXT_RST: D3.1 J3.3 | length 14.7
  L 01 w0.2: J3.3@2.54,35.56 4.53,37.55 D3.1@4.53,49.43
FPGA_LED: R50.2 U1.H11 | length 51.5
  L 01 w0.15: v1(9.56,48) R50.2@9.56,63.54 ; v1(27.34,33.58) U1.H11@27.69,33.23
  L 06 w0.15: v1(9.56,48) 8.83,47.27 8.83,45.02 10.63,43.22 10.63,36.46 11.25,35.84 19.3,35.84 20.11,36.65 22.73,36.65 24.49,38.41 26.8,38.41 27.03,38.18 27.03,35.38 27.77,34.64 27.77,34.01 v1(27.34,33.58)